# KiCad board ext_board.kicad_pcb
title: Ownverter V1.1.1; date: 2025-10-13; note: JAL; note: LFL; note: LFL; note: GFE
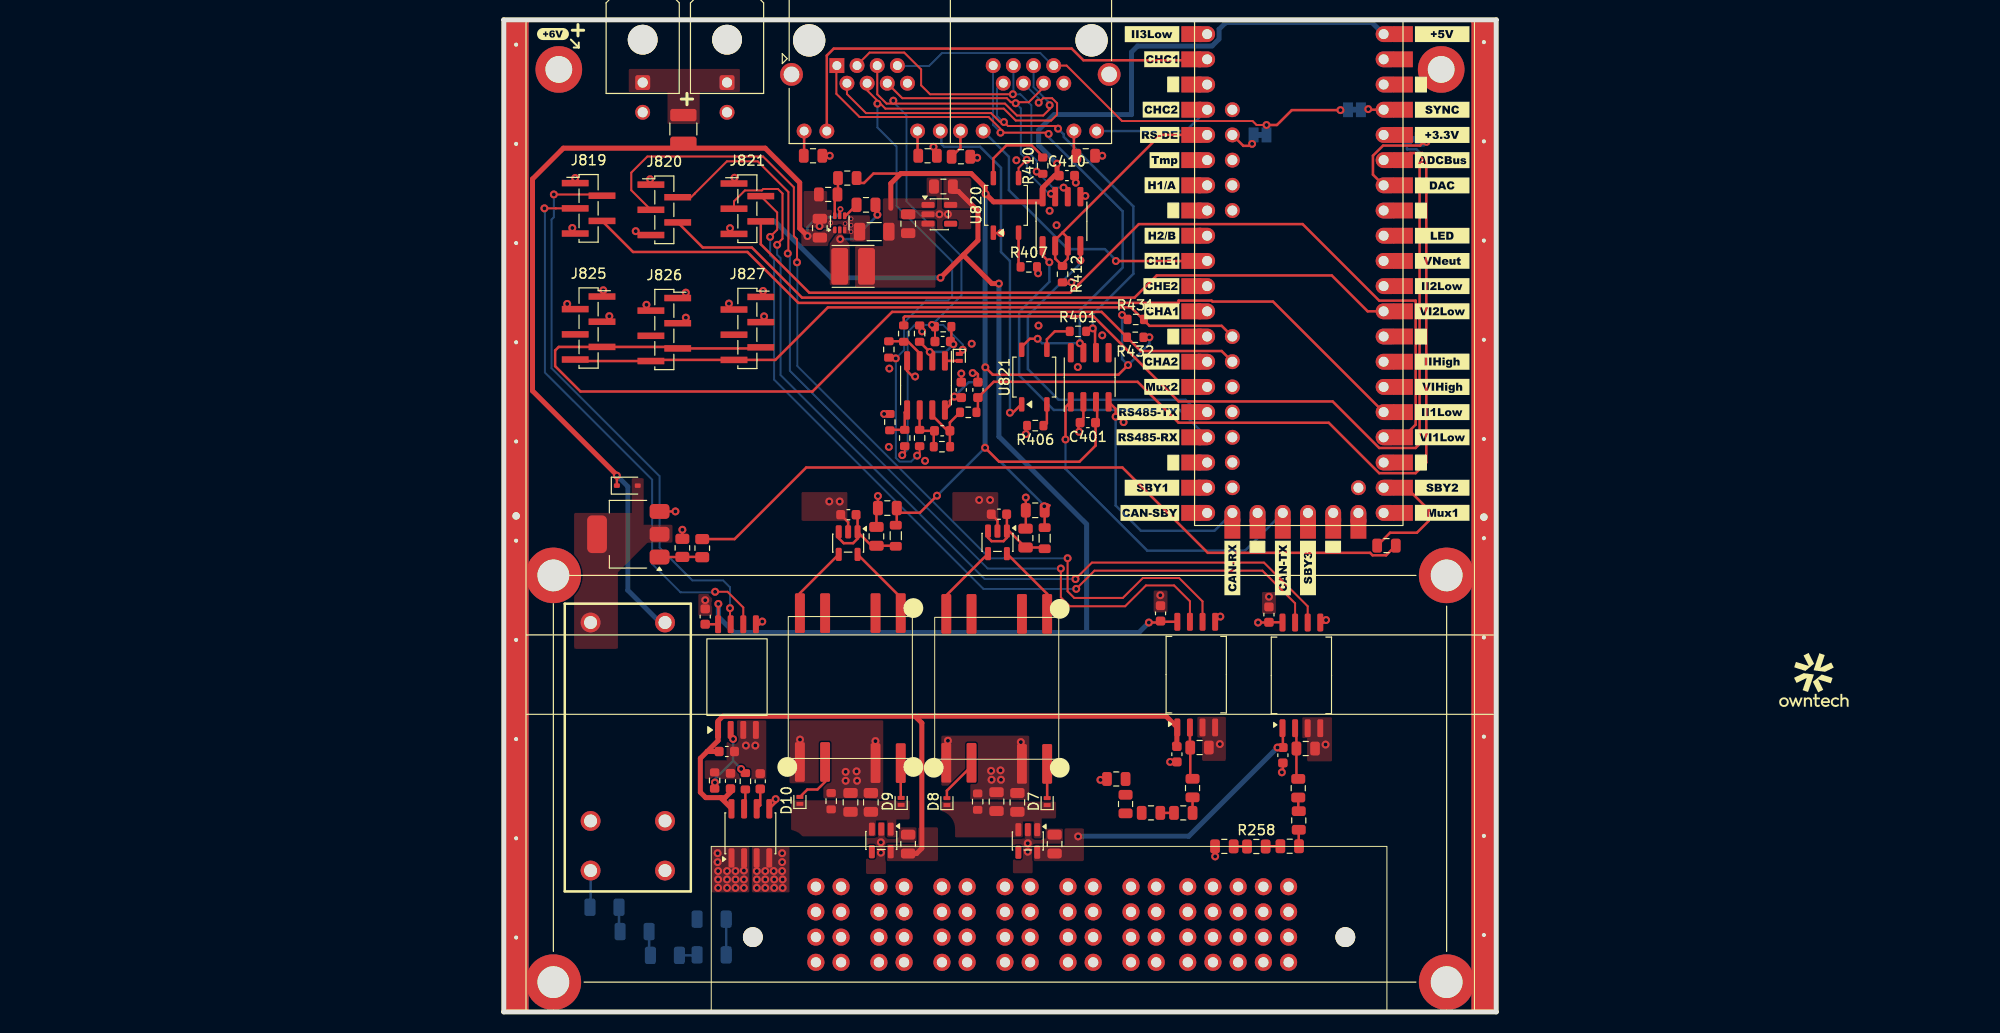
[diagram p0: board, top side]
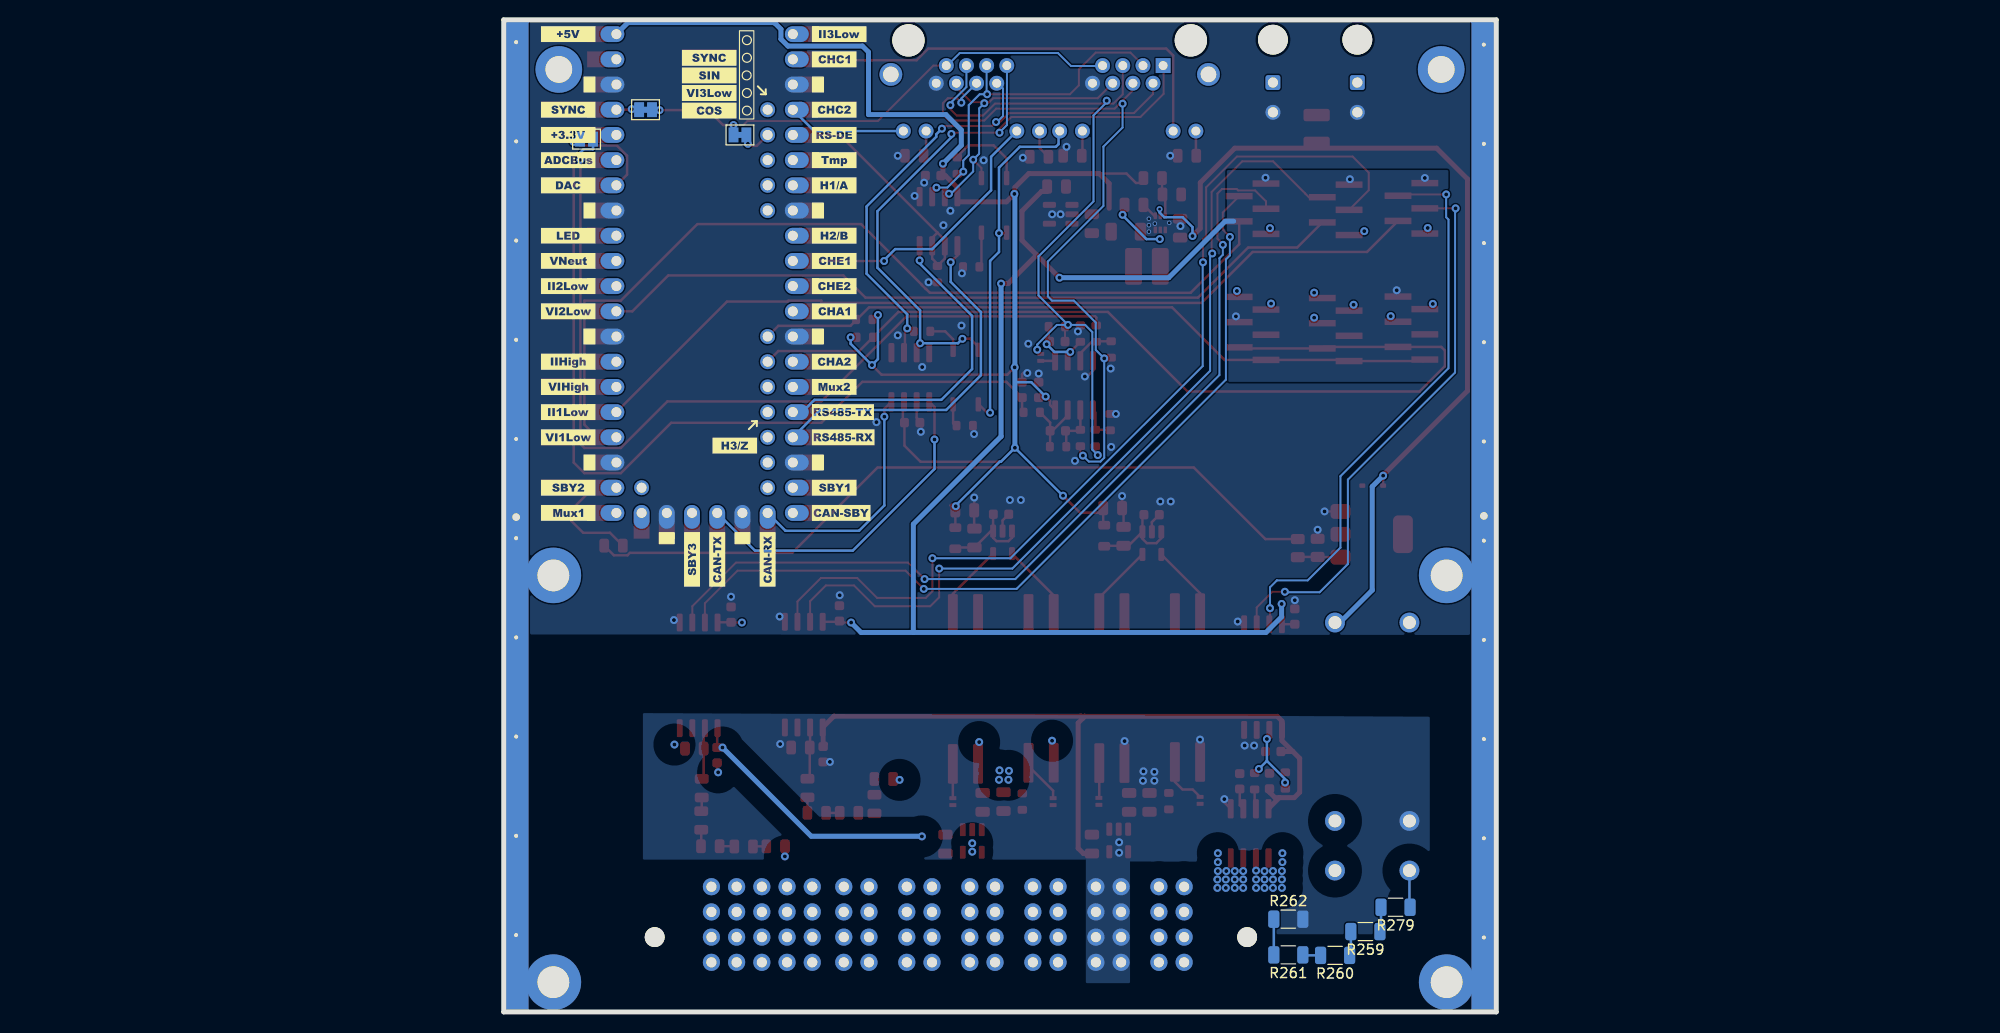
[diagram p1: board, bottom side, seen from below]

Outline 100 x 100 mm; copper layers: Top, In1.Cu (plane), In2.Cu (plane), Bottom. Coordinates in mm from the lower left corner of the outline.
Outline path: 0,100 0,0 100,0 100,100 0,100
Stack: Top 0.07mm / dielectric 0.1mm FR4 er 4.5 / In1.Cu 0.061mm / dielectric 1.128mm FR4 er 4.5 / In2.Cu 0.061mm / dielectric 0.1mm FR4 er 4.5 / Bottom 0.07mm

## Placement (name value [footprint] x y rotation side)
C2  10uF  [C_0805_2012Metric]  53.55 50.56 180 top
C3  10uF  [C_0805_2012Metric]  38.65 50.79 180 top
C4  10uF  [C_0805_2012Metric]  52.58 47.76 90 top
C5  10uF  [C_0805_2012Metric]  37.55 47.94 90 top
C41  100nF  [C_0603_1608Metric]  49.89 50.17 180 top
C42  100nF  [C_0603_1608Metric]  34.72 50.12 180 top
C43  10uF  [C_0805_2012Metric]  49.65 21.2 90 top
C44  10uF  [C_0805_2012Metric]  34.94 21.12 90 top
C45  1uF  [C_0805_2012Metric]  51.75 21.12 90 top
C46  1uF  [C_0805_2012Metric]  55.5 16.92 90 top
C47  1uF  [C_0805_2012Metric]  40.74 16.92 90 top
C48  1uF  [C_0805_2012Metric]  36.99 21.12 90 top
C49  1uF  [C_0805_2012Metric]  40.75 79.45 90 top
C50  1uF  [C_0805_2012Metric]  44.3 83.2 180 top
C51  10uF  [C_0805_2012Metric]  31.85 79 90 top
C52  100nF  [C_0805_2012Metric]  36.5 81.35 0 top
C53  47uF  [C_1206_3216Metric]  37.33 78.65 180 top
C205  100nF  [C_0603_1608Metric]  78.5 25.88 270 top
C206  100nF  [C_0603_1608Metric]  77.09 40.05 90 top
C211  100nF  [C_0603_1608Metric]  67.82 25.97 270 top
C212  100nF  [C_0603_1608Metric]  66.17 40.17 90 top
C233  100nF  [C_0603_1608Metric]  22.47 26.25 0 top
C234  100nF  [C_0603_1608Metric]  20.3 39.85 90 top
C401  100nF  [C_0603_1608Metric]  58.85 59.4 180 top
C410  100nF  [C_0603_1608Metric]  56.74 84.3 0 top
C411  20pF  [C_0603_1608Metric]  44.17 58.58 180 top
C412  20pF  [C_0603_1608Metric]  44.22 67.58 180 top
C413  100nF  [C_0603_1608Metric]  46.1 62.7 90 top
C470  10nF  [C_0603_1608Metric]  47.78 62.7 90 top
C492  100nF  [C_0603_1608Metric]  22.85 23.28 270 top
C493  1nF  [C_0603_1608Metric]  25.85 23.25 270 top
D6  40V - BAT165E6327F  [D_SOD-323]  12.45 53.05 0 top
D7  PMEG4010ESBYL  [D_SOD-882]  54.75 21.2 90 top
D8  PMEG4010ESBYL  [D_SOD-882]  44.65 21.2 90 top
D9  PMEG4010ESBYL  [D_SOD-882]  40.04 21.22 90 top
D10  PMEG4010ESBYL  [D_SOD-882]  29.84 21.32 90 top
D403  BAS40DB  [D_SOD-882]  45.9 65.97 270 top
F402  SMD1210-035-16V  [Fuse_1210_3225Metric]  18.1 89 270 top
G***  LOGO  [logomark_mini4]  132 34.2 0 top
G***#2  LOGO  [owntech_text_7]  132 31.4 0 top
G***#3  LOGO  [owntech34mmneg]  -104.3 82.85 180 bottom
H1  M2.5  [MountingHole_2.7mm_M2.5_DIN965_Pad_TopBottom]  5.55 95 0 top  (not fitted)
H2  M2.5  [MountingHole_2.7mm_M2.5_DIN965_Pad_TopBottom]  94.45 95 0 top  (not fitted)
H3  M3x3.5  [MountingHole_3.2mm_M3_DIN965_Pad_TopBottom]  5 44 0 top  (not fitted)
H4  M3x3.5  [MountingHole_3.2mm_M3_DIN965_Pad_TopBottom]  95 44 0 top  (not fitted)
H5  M3x3.5  [MountingHole_3.2mm_M3_DIN965_Pad_TopBottom]  5 3 0 top  (not fitted)
H6  M3x3.5  [MountingHole_3.2mm_M3_DIN965_Pad_TopBottom]  95 3 0 top  (not fitted)
J405  HC-MX3.0-2*1AW  [Molex_Micro-Fit_3.0_43045-0200_2x01_P3.00mm_Horizontal]  22.5 93.68 0 top
J406  HC-MX3.0-2*1AW  [Molex_Micro-Fit_3.0_43045-0200_2x01_P3.00mm_Horizontal]  14 93.68 0 top
J813  RJ45_LED_Shielded_x2  [RJ45_Amphenol_RJHSE538X-02]  33.56 95.39 0 top
J819  ~  [PinSocket_1x05_P1.27mm_Vertical_SMD_Pin1Left]  8.55 81 0 top
J820  ~  [PinSocket_1x05_P1.27mm_Vertical_SMD_Pin1Left]  16.18 80.85 0 top
J821  ~  [PinSocket_1x05_P1.27mm_Vertical_SMD_Pin1Left]  24.55 80.96 0 top
J825  ~  [PinSocket_1x06_P1.27mm_Vertical_SMD_Pin1Right]  8.55 68.94 0 top
J826  ~  [PinSocket_1x06_P1.27mm_Vertical_SMD_Pin1Right]  16.18 68.78 0 top
J827  ~  [PinSocket_1x06_P1.27mm_Vertical_SMD_Pin1Right]  24.55 68.9 0 top
JP406  Jumper_2_Bridged  [SolderJumper-2_P1.3mm_Bridged_Pad1.0x1.5mm]  85.71 90.94 180 bottom  (not fitted)
JP410  Jumper_2_Bridged  [SolderJumper-2_P1.3mm_Bridged_Pad1.0x1.5mm]  76.2 88.4 0 bottom  (not fitted)
JP417  Jumper_2_Bridged  [SolderJumper-2_P1.3mm_Bridged_Pad1.0x1.5mm]  91.65 87.97 180 bottom  (not fitted)
K801  HF140FF/012-2HSWTF  [RELAY-TH_HF140FF-024-2HSWT]  12.5 26.75 270 top
kibuzzard-68EE2A82  G***  [kibuzzard-68EE2A82]  4.96 98.57 0 top
kibuzzard-68EE3B36  G***  [kibuzzard-68EE3B36]  66.2 98.56 180 bottom
kibuzzard-68EE4C07  G***  [kibuzzard-68EE4C07]  -104.31 76.96 180 bottom
kibuzzard-68EE24A5  G***  [kibuzzard-68EE24A5]  94.55 78.24 0 top
kibuzzard-68EE24AF  G***  [kibuzzard-68EE24AF]  94.55 90.94 0 top
kibuzzard-68EE24B5  G***  [kibuzzard-68EE24B5]  94.55 88.4 0 top
kibuzzard-68EE24BE  G***  [kibuzzard-68EE24BE]  94.55 98.56 0 top
kibuzzard-68EE24D4  G***  [kibuzzard-68EE24D4]  73.41 44.75 90 top
kibuzzard-68EE24E5  G***  [kibuzzard-68EE24E5]  78.5 44.75 90 top
kibuzzard-68EE24F3  G***  [kibuzzard-68EE24F3]  81.03 44.75 90 top
kibuzzard-68EE25AA  G***  [kibuzzard-68EE25AA]  66.57 85.86 0 top
kibuzzard-68EE25BE  G***  [kibuzzard-68EE25BE]  66.32 83.33 0 top
kibuzzard-68EE25CD  G***  [kibuzzard-68EE25CD]  66.32 78.24 0 top
kibuzzard-68EE43ED  G***  [kibuzzard-68EE43ED]  66.7 88.4 180 bottom
kibuzzard-68EE43F5  G***  [kibuzzard-68EE43F5]  66.7 83.32 180 bottom
kibuzzard-68EE44CF  G***  [kibuzzard-68EE44CF]  66.7 65.54 180 bottom
kibuzzard-68EE44DF  G***  [kibuzzard-68EE44DF]  66.7 63 180 bottom
kibuzzard-68EE44EF  G***  [kibuzzard-68EE44EF]  65.82 60.46 180 bottom
kibuzzard-68EE45B1  G***  [kibuzzard-68EE45B1]  73.41 45.61 90 bottom
kibuzzard-68EE45BE  G***  [kibuzzard-68EE45BE]  78.49 45.61 90 bottom
kibuzzard-68EE45CB  G***  [kibuzzard-68EE45CB]  81.03 45.61 90 bottom
kibuzzard-68EE45EE  G***  [kibuzzard-68EE45EE]  76.72 57.08 180 bottom
kibuzzard-68EE46AF  G***  [kibuzzard-68EE46AF]  93.5 90.94 180 bottom
kibuzzard-68EE46C1  G***  [kibuzzard-68EE46C1]  93.5 85.86 180 bottom
kibuzzard-68EE46D0  G***  [kibuzzard-68EE46D0]  93.5 83.32 180 bottom
kibuzzard-68EE46DF  G***  [kibuzzard-68EE46DF]  93.5 78.24 180 bottom
kibuzzard-68EE46EE  G***  [kibuzzard-68EE46EE]  93.5 75.7 180 bottom
kibuzzard-68EE46FA  G***  [kibuzzard-68EE46FA]  93.5 73.16 180 bottom
kibuzzard-68EE47A2  G***  [kibuzzard-68EE47A2]  93.5 52.84 180 bottom
kibuzzard-68EE47C7  G***  [kibuzzard-68EE47C7]  93.5 50.3 180 bottom
kibuzzard-68EE47E7  G***  [kibuzzard-68EE47E7]  79.3 96.17 180 bottom
kibuzzard-68EE71D6  G***  [kibuzzard-68EE71D6]  66.7 85.86 180 bottom
kibuzzard-68EE71F4  G***  [kibuzzard-68EE71F4]  93.5 88.4 180 bottom
kibuzzard-68EE71FA  G***  [kibuzzard-68EE71FA]  93.5 98.56 180 bottom
kibuzzard-68EE241F  G***  [kibuzzard-68EE241F]  94.55 63 0 top
kibuzzard-68EE244B  G***  [kibuzzard-68EE244B]  94.55 57.92 0 top
kibuzzard-68EE255F  G***  [kibuzzard-68EE255F]  65.32 98.56 0 top
kibuzzard-68EE260A  G***  [kibuzzard-68EE260A]  66.32 75.71 0 top
kibuzzard-68EE263D  G***  [kibuzzard-68EE263D]  66.23 65.55 0 top
kibuzzard-68EE264C  G***  [kibuzzard-68EE264C]  66.3 63 0 top
kibuzzard-68EE450D  G***  [kibuzzard-68EE450D]  65.79 57.92 180 bottom
kibuzzard-68EE470A  G***  [kibuzzard-68EE470A]  93.5 70.62 180 bottom
kibuzzard-68EE477F  G***  [kibuzzard-68EE477F]  93.5 57.92 180 bottom
kibuzzard-68EE721A  G***  [kibuzzard-68EE721A]  66.7 96.02 180 bottom
kibuzzard-68EE2327  G***  [kibuzzard-68EE2327]  94.55 85.86 0 top
kibuzzard-68EE2338  G***  [kibuzzard-68EE2338]  94.55 75.7 0 top
kibuzzard-68EE2344  G***  [kibuzzard-68EE2344]  94.55 73.16 0 top
kibuzzard-68EE2352  G***  [kibuzzard-68EE2352]  94.55 70.62 0 top
kibuzzard-68EE2407  G***  [kibuzzard-68EE2407]  94.55 65.54 0 top
kibuzzard-68EE2434  G***  [kibuzzard-68EE2434]  94.55 60.46 0 top
kibuzzard-68EE2472  G***  [kibuzzard-68EE2472]  94.55 52.84 0 top
kibuzzard-68EE2482  G***  [kibuzzard-68EE2482]  94.55 50.31 0 top
kibuzzard-68EE2491  G***  [kibuzzard-68EE2491]  94.55 83.31 0 top
kibuzzard-68EE2506  G***  [kibuzzard-68EE2506]  65.1 50.3 0 top
kibuzzard-68EE2514  G***  [kibuzzard-68EE2514]  65.31 52.84 0 top
kibuzzard-68EE2525  G***  [kibuzzard-68EE2525]  64.91 57.92 0 top
kibuzzard-68EE2547  G***  [kibuzzard-68EE2547]  64.94 60.46 0 top
kibuzzard-68EE2570  G***  [kibuzzard-68EE2570]  66.3 96.03 0 top
kibuzzard-68EE2583  G***  [kibuzzard-68EE2583]  66.22 90.95 0 top
kibuzzard-68EE2597  G***  [kibuzzard-68EE2597]  66.09 88.4 0 top
kibuzzard-68EE2618  G***  [kibuzzard-68EE2618]  66.26 73.16 0 top
kibuzzard-68EE2628  G***  [kibuzzard-68EE2628]  66.3 70.62 0 top
kibuzzard-68EE4414  G***  [kibuzzard-68EE4414]  66.7 78.24 180 bottom
kibuzzard-68EE4445  G***  [kibuzzard-68EE4445]  66.7 75.7 180 bottom
kibuzzard-68EE4488  G***  [kibuzzard-68EE4488]  66.7 73.16 180 bottom
kibuzzard-68EE4573  G***  [kibuzzard-68EE4573]  66.7 70.62 180 bottom
kibuzzard-68EE4580  G***  [kibuzzard-68EE4580]  66.7 52.84 180 bottom
kibuzzard-68EE4598  G***  [kibuzzard-68EE4598]  66 50.3 180 bottom
kibuzzard-68EE4753  G***  [kibuzzard-68EE4753]  93.5 65.54 180 bottom
kibuzzard-68EE4764  G***  [kibuzzard-68EE4764]  93.5 63 180 bottom
kibuzzard-68EE4773  G***  [kibuzzard-68EE4773]  93.5 60.46 180 bottom
kibuzzard-68EE4806  G***  [kibuzzard-68EE4806]  79.3 94.4 180 bottom
kibuzzard-68EE4815  G***  [kibuzzard-68EE4815]  79.3 92.62 180 bottom
kibuzzard-68EE4829  G***  [kibuzzard-68EE4829]  79.3 90.85 180 bottom
kibuzzard-68EE7214  G***  [kibuzzard-68EE7214]  66.7 90.94 180 bottom
L2  10uH  [L_0805_2012Metric]  54.5 47.75 270 top
L3  10uH  [L_0805_2012Metric]  39.5 48 270 top
L5  4.7uH - 80mR  [L_Cenker_CKCS4020]  35.2 75.15 0 top
N101  Eurocard rails  [Guard_ring]  0 100 0 top  (not fitted)
Q12  ZXMN7A11GTA  [SOT-223]  12.55 48.15 180 top
R36  47R  [R_0805_2012Metric]  20 46.75 270 top
R37  10k  [R_0805_2012Metric]  18 46.78 90 top
R38  4.7k  [R_0603_1608Metric]  47.75 21.19 90 top
R55  120R  [R_0805_2012Metric#2]  88.94 47 0 top
R56  56k  [R_0805_2012Metric#2]  34.61 84.05 180 top
R57  10k  [R_0805_2012Metric#2]  32.69 82.4 180 top
R58  4.7k  [R_0603_1608Metric]  32.99 21.25 90 top
R249  5.6k  [R_0805_2012Metric#2]  70.11 26.65 0 top
R250  330k  [R_0805_2012Metric#2]  65.21 20.06 0 top
R251  330k  [R_0805_2012Metric#2]  68.46 20.06 0 top
R252  330k  [R_0805_2012Metric#2]  69.4 22.56 90 top
R254  5.6k  [R_0805_2012Metric#2]  80.8 26.55 0 top
R255  330k  [R_0805_2012Metric#2]  80.05 22.55 90 top
R256  330k  [R_0805_2012Metric#2]  80.1 19.3 90 top
R257  330k  [R_0805_2012Metric#2]  79.19 16.7 0 top
R258  330k  [R_0805_2012Metric#2]  75.83 16.67 0 top
R259  330k  [R_1206_3216Metric]  13.19 8.1 0 bottom
R260  330k  [R_1206_3216Metric]  16.24 5.7 0 bottom
R261  330k  [R_1206_3216Metric]  20.95 5.75 0 bottom
R262  330k  [R_1206_3216Metric]  20.95 9.35 180 bottom
R269  330k  [R_0805_2012Metric#2]  62.65 20.95 270 top
R277  330k  [R_0805_2012Metric#2]  61.71 23.48 0 top
R278  330k  [R_0805_2012Metric#2]  72.6 16.69 0 top
R279  330k  [R_1206_3216Metric]  10.15 10.55 0 bottom
R280  15k  [R_0603_1608Metric]  24.35 23.25 90 top
R281  10k  [R_0603_1608Metric]  21.25 23.33 90 top
R401  120R  [R_0603_1608Metric]  57.85 68.6 0 top
R402  330R  [R_0805_2012Metric#2]  42.7 86.3 180 top
R403  330R  [R_0805_2012Metric#2]  31.16 86.3 180 top
R404  330R  [R_0805_2012Metric#2]  58.64 86.3 180 top
R405  330R  [R_0805_2012Metric#2]  46.06 86.2 180 top
R406  680R  [R_0603_1608Metric]  53.55 59.1 180 top
R407  680R  [R_0603_1608Metric]  52.9 75.1 0 top
R410  120R  [R_0603_1608Metric]  54.3 85.3 90 top
R412  4.7k  [R_0603_1608Metric]  56.3 74.36 270 top
R413  4.7k  [R_0603_1608Metric]  40.3 68.38 270 top
R414  4.7k  [R_0603_1608Metric]  41.9 68.38 270 top
R415  4.7k  [R_0603_1608Metric]  44.15 56.97 180 top
R416  4.7k  [R_0603_1608Metric]  44.28 69.08 180 top
R417  4.7k  [R_0603_1608Metric]  38.8 66.78 270 top
R418  4.7k  [R_0603_1608Metric]  41.9 57.85 270 top
R419  4.7k  [R_0603_1608Metric]  40.4 57.85 270 top
R428  4.7k  [R_0603_1608Metric]  38.9 59.45 270 top
R431  4.7k  [R_0603_1608Metric]  63.67 69.8 0 top
R432  4.7k  [R_0603_1608Metric]  63.62 68 180 top
R470  120R  [R_0603_1608Metric]  46.8 60.44 180 top
TR801  CMT8830U  [CMT88F0U]  49.67 32.62 270 top
TR802  CMT8830U  [CMT88F0U]  34.92 32.7 270 top
U14  TPS562202  [SOT-563]  33.85 79.54 90 top
U205  AMC1311BDWVR  [SOIC-8_7.5x5.85mm_P1.27mm]  80.36 33.92 90 top
U207  AMC1311BDWVR  [SOIC-8_7.5x5.85mm_P1.27mm]  69.77 34 90 top
U211  AMC1311BDWVR  [SOIC-8_7.5x5.85mm_P1.27mm]  23.5 33.75 90 top
U401  OwnTech_SPIN  [OwnTech_SPINTHT_1]  70.87 50.3 90 top  (not fitted)
U402  CA-IF1051S  [SOIC-8_3.9x4.9mm_P1.27mm]  59.03 63.98 90 top
U405  CA-IF4850HS  [SOIC-8_3.9x4.9mm_P1.27mm]  56.19 79.7 90 top
U406  MCP6487T-E/SN  [SOIC-8_3.9x4.9mm_P1.27mm]  42.55 63.15 270 top
U801  ACS724LLCTR-50AB-T-JSM  [SOIC-8_3.9x4.9mm_P1.27mm]  24.85 18 90 top
U802  CMP6503S  [SOT-23-5]  49.75 47.33 270 top
U803  CMP6503S  [SOT-23-5]  34.7 47.25 270 top
U804  TPS7A20xxxDBV  [SOT-23-5]  52.8 17.23 270 top
U805  TPS7A20xxxDBV  [SOT-23-5]  38.04 17.28 270 top
U806  TPS7A20xxxDBV  [SOT-23-5]  43.89 80.4 0 top
U809  ~  [PwrBlade51722-106020]  31.45 5 0 top
U820  GAQY221S  [SOP-4_3.8x4.1mm_P2.54mm]  50.6 81.3 90 top
U821  GAQY221S  [SOP-4_3.8x4.1mm_P2.54mm]  53.45 63.99 90 top

## Library data of the parts
C2-C5 C43 C44 C51 = -: Description: Unpolarized capacitor; KiLib_Generator: SMD_2terminal_chip_molded; LCSC: C440198; ki_fp_filters: C_*
C41 C42 = -: Description: Unpolarized capacitor; KiLib_Generator: SMD_2terminal_chip_molded; LCSC: C14663; ki_fp_filters: C_*
C45-C50 = -: Description: Unpolarized capacitor; KiLib_Generator: SMD_2terminal_chip_molded; LCSC: C426085; ki_fp_filters: C_*
C52 = -: Description: Unpolarized capacitor, small symbol; KiLib_Generator: SMD_2terminal_chip_molded; LCSC: C49678; ki_fp_filters: C_*
C53 = -: Description: Unpolarized capacitor; KiLib_Generator: SMD_2terminal_chip_molded; LCSC: C96123; ki_fp_filters: C_*
C205 C206 C211 C212 C233 C234 C413 C492 = -: KiLib_Generator: SMD_2terminal_chip_molded; Reserved1: 19d8e62435aae811d30466f8cc008899f37785f68fd5; LCSC: C14663; ki_fp_filters: C_*
C401 C410 = -: KiLib_Generator: SMD_2terminal_chip_molded; LCSC: C14663; ki_fp_filters: C_*
C411 C412 = -: KiLib_Generator: SMD_2terminal_chip_molded; Reserved1: 269e10abb8e08bedf6fe59138f738c816916bbb2d9; LCSC: C1648; ki_fp_filters: C_*
C470 = -: KiLib_Generator: SMD_2terminal_chip_molded; Reserved1: e3914cea4278ea3196a18363ef89ca0b3776d3f76b; LCSC: C1589; ki_fp_filters: C_*
C493 = -: KiLib_Generator: SMD_2terminal_chip_molded; Reserved1: 19d8e62435aae811d30466f8cc008899f37785f68fd5; LCSC: C1588; ki_fp_filters: C_*
D6 = -: Description: Schottky diode; LCSC: C42411276; ki_fp_filters: TO-???* *_Diode_* *SingleDiode* D_*
D7-D10 = -: Datasheet: https://www.lcsc.com/datasheet/C478156.pdf; Description: Diode 40V 1A Surface Mount DSN1006-2; LCSC: C478156; ki_fp_filters: TO-???* *_Diode_* *SingleDiode* D_*
D403 = -: Reserved1: 43817ac0f4fec423c7625c960c4fb4ef1e3331450741e4; LCSC: C3000407; ki_fp_filters: TO-???* *_Diode_* *SingleDiode* D_*
F402 = -: Description: 350 mA hold, 16 V resettable PTC fuse, 1210 surface-mount package; KiLib_Generator: SMD_2terminal_chip_molded; Reserved1: 25a512e75656dbc960c468ea2570e2f6157f60cb4b52; LCSC: C70092; ki_fp_filters: *polyfuse* *PTC*
H1-H6 = -: Description: Mounting Hole with connection; KiLib_Generator: mounting_hardware/mounting_hole; LCSC: C2916333; ki_fp_filters: MountingHole*Pad*
J405 J406 = -: Description: Generic connector, single row, 01x02, script generated; KiLib_Generator: connector/Molex; Reserved1: e5642e80157e8e85eb01d09f27dc0adcd668c4239559cb; LCSC: C3294382; ki_fp_filters: Connector*:*_1x??_*
J813 = -: Description: RJ connector, 8P8C (8 positions 8 connected), two LEDs, RJ45, Shielded, two ports; LCSC: C2902697; ki_fp_filters: 8P8C*02* RJ45*02*
J819-J821 = -: KiLib_Generator: connector/pin_header_socket; LCSC: C46061714
J825-J827 = -: KiLib_Generator: connector/pin_header_socket; LCSC: C46061715
JP406 JP410 JP417 = -: ki_fp_filters: SolderJumper*Bridged*
K801 = -: Description: General Purpose Low Profile Relay DPST Through Hole, Omron G2RL series, Normally Open,  8A 250VAC; LCSC: C5322766; ki_fp_filters: Relay*
L2 L3 = -: Description: Inductor; KiLib_Generator: SMD_2terminal_chip_molded; LCSC: C88173; ki_fp_filters: Choke_* *Coil* Inductor_* L_*
L5 = -: Description: Inductor; KiLib_Generator: inductor/SMD; LCSC: C3002596; ki_fp_filters: Choke_* *Coil* Inductor_* L_*
Q12 = -: Description: N-MOSFET transistor, gate/drain/source, drain connected to mounting plane; LCSC: C460277
R36 = -: Description: Resistor; KiLib_Generator: SMD_2terminal_chip_molded; LCSC: C17714; ki_fp_filters: R_*
R37 = -: Description: Resistor; KiLib_Generator: SMD_2terminal_chip_molded; LCSC: C17414; ki_fp_filters: R_*
R38 R58 = -: Description: Resistor; KiLib_Generator: SMD_2terminal_chip_molded; LCSC: C23162; ki_fp_filters: R_*
R55 = -: Description: Resistor; LCSC: C17437; ki_fp_filters: R_*
R56 = -: Description: Resistor, small symbol; LCSC: C17756; ki_fp_filters: R_*
R57 = -: Description: Resistor, small symbol; LCSC: C17414; ki_fp_filters: R_*
R249 R254 = -: Reserved1: 67db2c24762cea30e11f13dd39d2663e9787eb3eef; ki_fp_filters: R_*
R250-R252 R255-R257 R269 R277 R278 = -: Description: Resistor, small symbol; Reserved1: de80908cc82a0210b1e2e612ccfd739eec83c979ef0a; LCSC: C17629; ki_fp_filters: R_*
R258 = -: Description: Resistor, small symbol; LCSC: C17629; ki_fp_filters: R_*
R259-R262 R279 = -: Description: Resistor, small symbol; KiLib_Generator: SMD_2terminal_chip_molded; LCSC: C104773; ki_fp_filters: R_*
R280 = -: Description: Resistor, small symbol; KiLib_Generator: SMD_2terminal_chip_molded; Reserved1: de80908cc82a0210b1e2e612ccfd739eec83c979ef0a; LCSC: C22809; ki_fp_filters: R_*
R281 = -: Description: Resistor, small symbol; KiLib_Generator: SMD_2terminal_chip_molded; Reserved1: 67db2c24762cea30e11f13dd39d2663e9787eb3eef; LCSC: C25804; ki_fp_filters: R_*
R401 R410 = -: KiLib_Generator: SMD_2terminal_chip_molded; LCSC: C22787; ki_fp_filters: R_*
R402 R404 = -: Description: Resistor, small symbol; Reserved1: 071717e930d4524246f6e6f876a9b7d8511ee44dcaf9; LCSC: C17630; ki_fp_filters: R_*
R403 R405 = -: Description: Resistor, small symbol; Reserved1: ed38d777b7994206b23f9f61344919c43c8db7d5b38c; LCSC: C17630; ki_fp_filters: R_*
R406 R407 = -: KiLib_Generator: SMD_2terminal_chip_molded; LCSC: C23228; ki_fp_filters: R_*
R412 R431 R432 = -: KiLib_Generator: SMD_2terminal_chip_molded; LCSC: C23162; ki_fp_filters: R_*
R413-R419 R428 = -: KiLib_Generator: SMD_2terminal_chip_molded; Reserved1: 910e2db7ae29b8f49bc55bff61c6afd7de75f51604cc; LCSC: C23162; ki_fp_filters: R_*
R470 = -: KiLib_Generator: SMD_2terminal_chip_molded; Reserved1: 265e20220af447b6557637c21be549aa551cbddfab0e; LCSC: C22787; ki_fp_filters: R_*
TR801 TR802 = -: Description: 25uH 1:1.13:1.13 SMD-8P,14x12.7mm Power Transformers RoHS; LCSC: C37648312; Rotation Offset: 270
U14 = -: Datasheet: https://www.ti.com/lit/ds/symlink/tps562202.pdf; Description: 2A Synchronous Step-Down Voltage Regulator 580kHz, adjustable output voltage, 4.5-17V Input Voltage, 0.804V-7V Output Voltage, SOT-563; KiLib_Generator: package/gullwing; LCSC: C2877547; Rotation Offset: 270; ki_fp_filters: SOT?563*
U205 U207 = -: Description: High-impedance 2 V input, fixed-gain reinforced isolated amplifier, SOIC-8 wide; Reserved1: bb45c8242c3d369f90a0d3ebb95b389e6ed90e9e5e5430; LCSC: C783598
U211 = -: Description: High-impedance 2 V input, fixed-gain reinforced isolated amplifier, SOIC-8 wide; KiLib_Generator: package/gullwing; Reserved1: bb45c8242c3d369f90a0d3ebb95b389e6ed90e9e5e5430; LCSC: C783598
U402 = -: Description: CAN FD transceiver with silent mode, 2 Mbit/s, 3.0 V to 5.5 V, SOIC-8; Reserved1: c9e519745e78afded5af1809684a4bc0b52728b17a5628; LCSC: C5121951; ki_fp_filters: *TSOT?23* *SOIC*3.9x4.9mm*P1.27mm*
U405 = -: Datasheet: https://www.analog.com/media/en/technical-documentation/data-sheets/285012fe.pdf; Description: RS-485, RS-422 Half-duplex 20Mbps transceiver, SOIC-8; Reserved1: 6a0883e35ff24d76c13821f25dcdfef8051afafdbedcd565; LCSC: C7422579; ki_fp_filters: SOIC*3.9x4.9mm*P1.27mm*
U406 = -: Description: Dual 10 MHz rail-to-rail input/output operational amplifier with EMI filtering, SOIC-8; Reserved1: cfa77bdb1fbac91e47cb9023efe36bfa0d273441b07efcd2; LCSC: C5224810; ki_fp_filters: SOIC*3.9x4.9mm*P1.27mm* DIP*W7.62mm* TO*99* OnSemi*Micro8* TSSOP*3x3mm*P0.65mm* TSSOP*4.4x3mm*P0.65mm* MSOP*3x3mm*P0.65mm* SSOP*3.9x4.9mm*P0.635mm* LFCSP*2x2mm*P0.5mm* *SIP* SOIC*5.3x6.2mm*P1.27mm*
U801 = -: Description: +/-50 A bidirectional Hall-effect current sensor, 5 V supply, 40 mV/A, SOIC-8; KiLib_Generator: package/gullwing; LCSC: C20606860; ki_fp_filters: SOIC*3.9x4.9m*P1.27mm*
U802 U803 = -: Description: Isolated power transformer driver; KiLib_Generator: package/gullwing; LCSC: C47117012
U804-U806 = -: Datasheet: https://www.ti.com/lit/ds/symlink/tps7a20.pdf; Description: 300 mA Low Dropout Voltage Regulator, Fixed Output, 1.6..6.0Vin, Low-Noise (7μV RMS), 6.5μA IQ LDO, SOT-23; KiLib_Generator: package/gullwing; LCSC: C2864504; ki_fp_filters: *SOT?23*
U820 U821 = -: Description: 60 V, 200 mA PhotoMOS solid-state relay, 2 ohm maximum; KiLib_Generator: package/gullwing; LCSC: C7435105; ki_fp_filters: SO*4.4x4.3mm*P2.54mm*
